# KiCad board peripheral_board_v1a.kicad_pcb (continued)
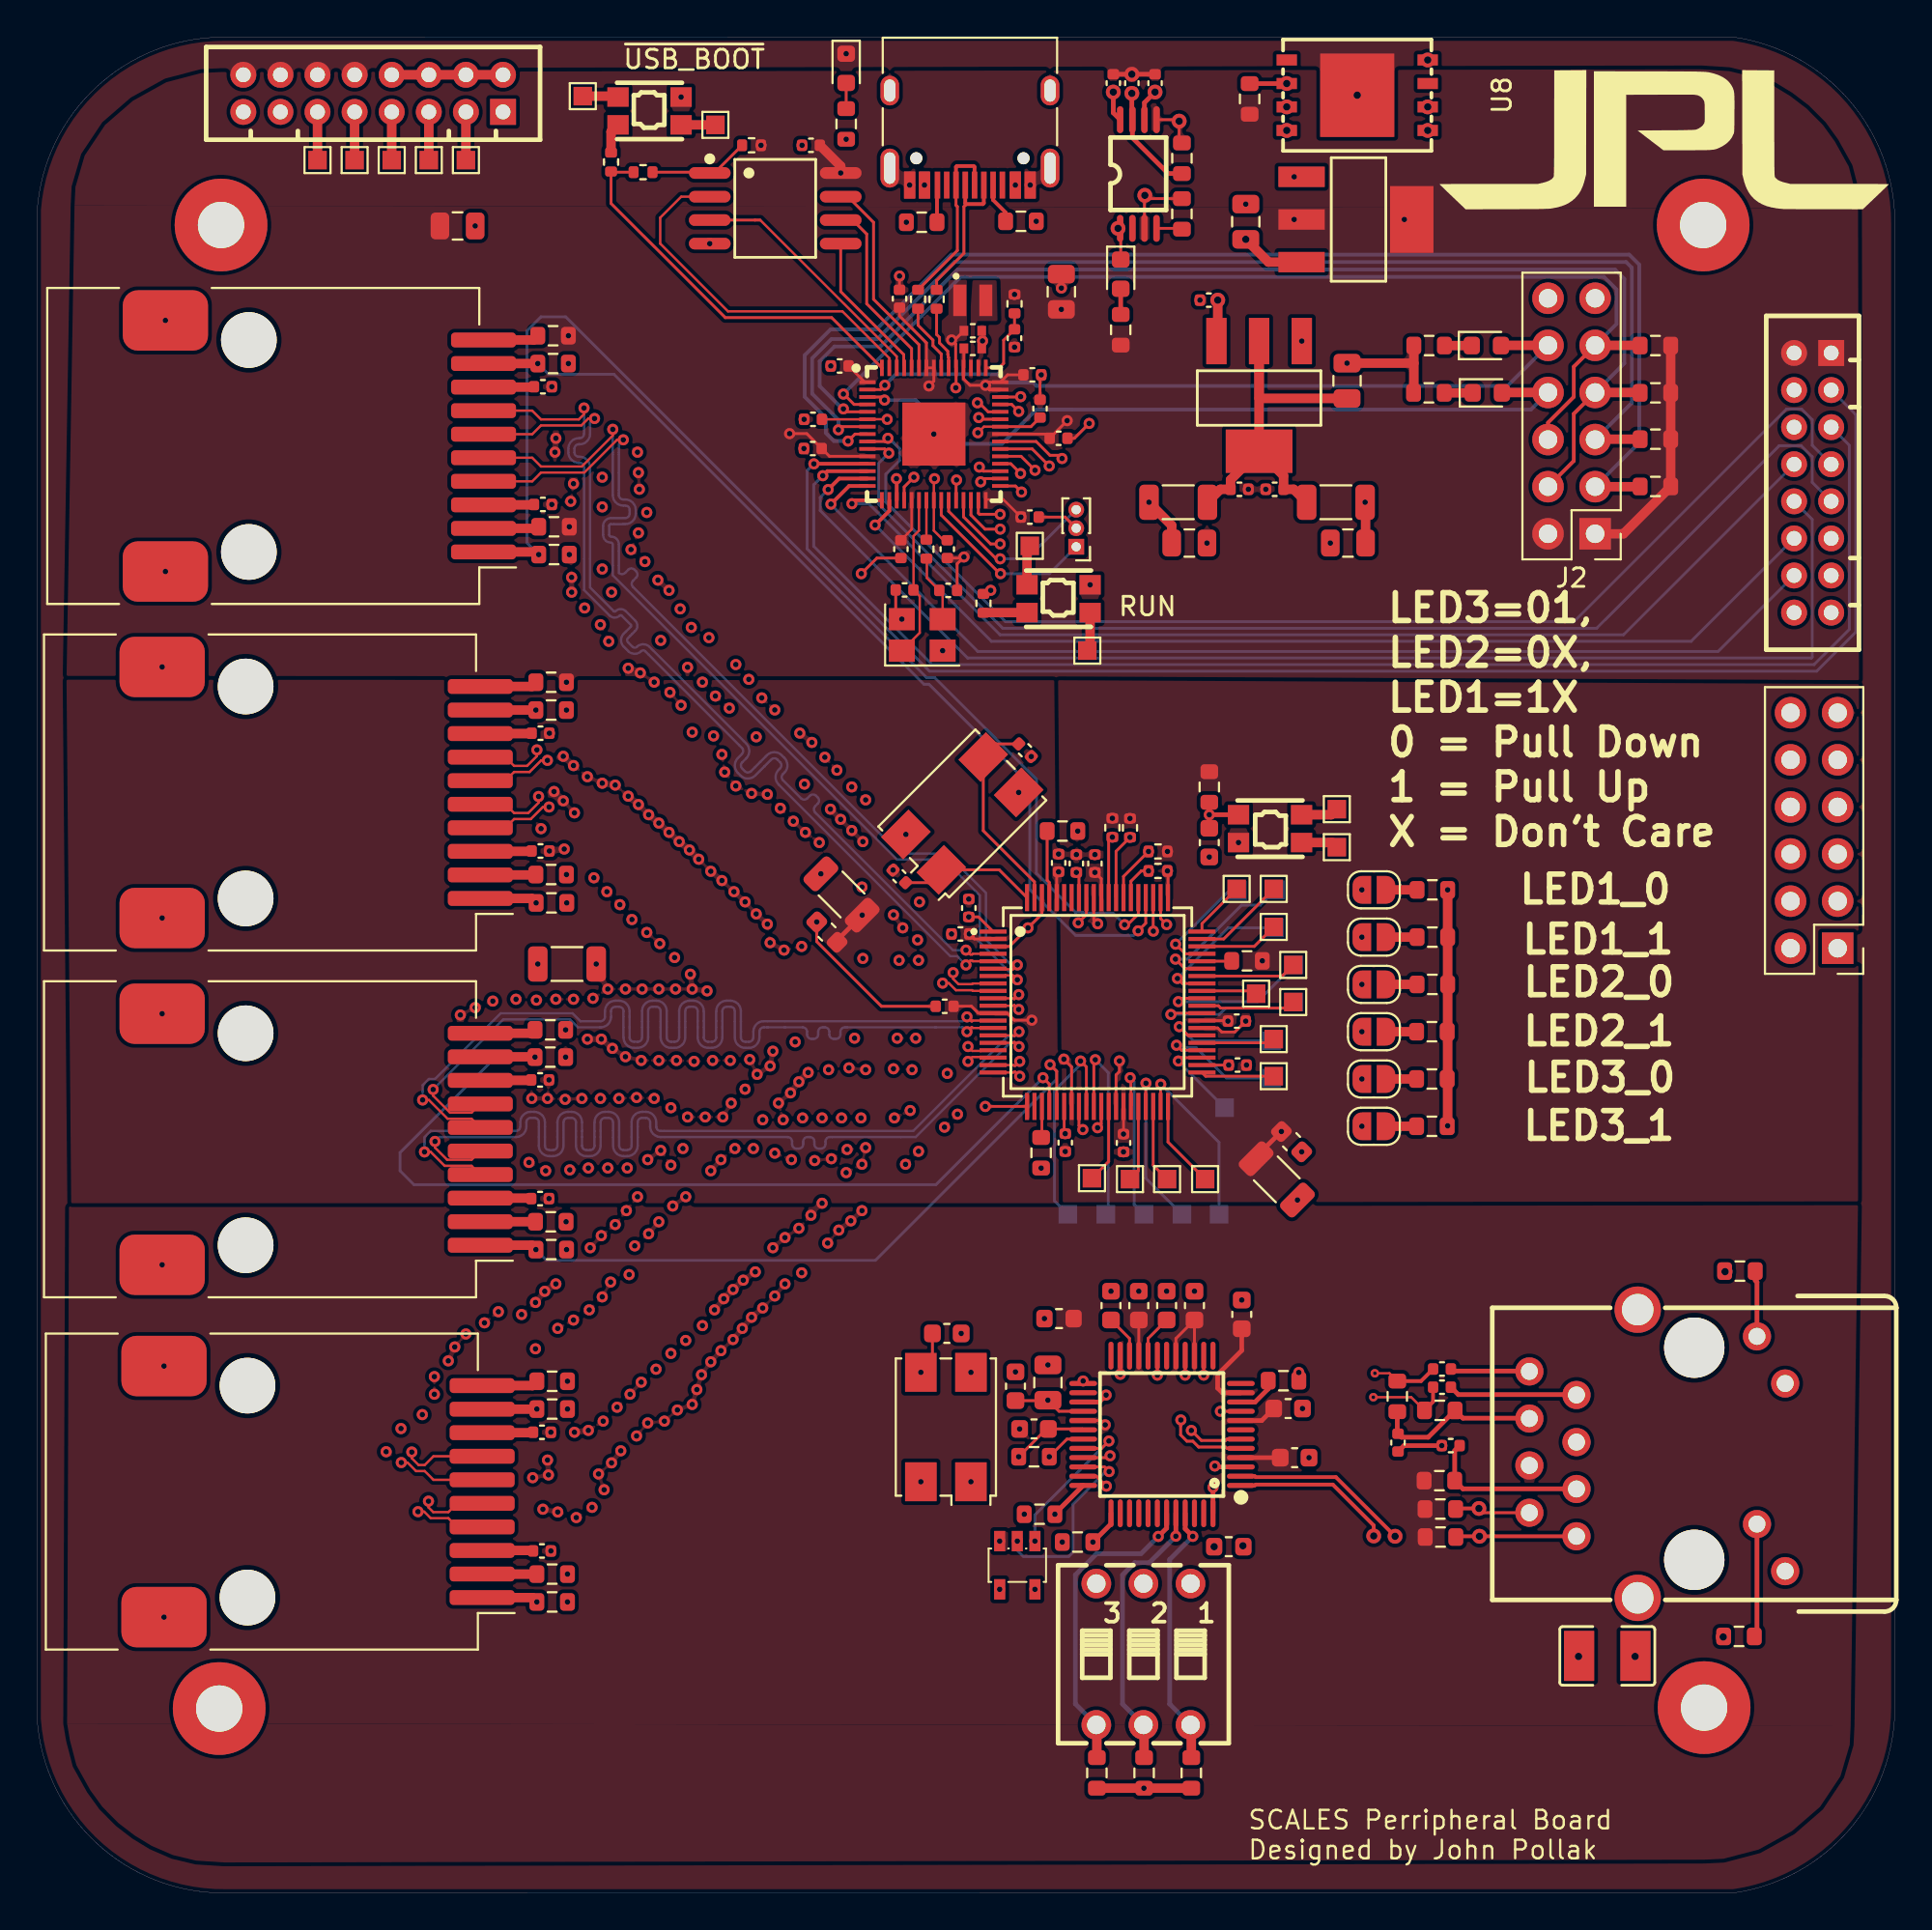
[diagram p0: board, top side]
## Routing (per net, layer and track width the routed paths; a pad name or vN(x,y) marks a point on that pad's centre or on a via; arc(x,y) is an arc through that point) (continued)
  B.Cu_SIG w0.127: v1(52.84,49.24) 50.71,51.37 50.82,51.48 50.82,53.79 48.89,55.72 46.36,55.72 31.03,71.05 31.03,72.72 arc(31.01,72.78) 30.94,72.81 arc(30.64,72.94) 30.51,73.24 30.51,73.72 arc(30.64,74.02) 30.94,74.14 31.71,74.14 arc(31.88,74.21) 31.94,74.38 31.94,74.58 arc(31.88,74.74) 31.71,74.81 31.6,74.81 arc(31.2,74.98) 31.03,75.38 v1(31.03,78.92)
TX2+: length 53.3
  F.Cu_SIG w0.127: v1(27.6,58.56) 27.26,58.56 26.61,57.91 25.71,57.91 25.24,57.44 J6.4 ; U6.10 52.63,48.24 52.67,48.2 52.68,48.2 v1(52.92,48.44)
  In3.Cu_SIG w0.127: v1(52.92,48.44) 52.68,48.2 50.42,48.2 arc(50.38,48.22) 50.36,48.27 arc(50.24,48.54) 49.97,48.66 49.42,48.66 arc(49.14,48.54) 49.03,48.27 49.03,47.31 arc(48.96,47.15) 48.79,47.08 48.59,47.08 arc(48.42,47.15) 48.35,47.31 48.35,48.4 arc(48.2,48.77) 47.83,48.92 47.55,48.92 arc(47.18,48.77) 47.03,48.4 47.03,47.31 arc(46.96,47.15) 46.79,47.08 46.59,47.08 arc(46.42,47.15) 46.35,47.31 46.35,48.4 arc(46.2,48.77) 45.83,48.92 45.55,48.92 arc(45.18,48.77) 45.03,48.4 45.03,47.31 arc(44.96,47.15) 44.79,47.08 44.59,47.08 arc(44.42,47.15) 44.35,47.31 44.35,48.4 arc(44.2,48.77) 43.83,48.92 43.55,48.92 arc(43.18,48.77) 43.03,48.4 43.03,47.31 arc(42.96,47.15) 42.79,47.08 42.59,47.08 arc(42.42,47.15) 42.35,47.31 42.35,48.4 arc(42.2,48.77) 41.83,48.92 41.55,48.92 arc(41.18,48.77) 41.03,48.4 41.03,47.31 arc(40.96,47.15) 40.79,47.08 40.59,47.08 arc(40.42,47.15) 40.35,47.31 40.35,48.4 arc(40.2,48.76) 39.83,48.92 39.54,48.92 arc(39.18,48.76) 39.03,48.4 arc(38.97,48.26) 38.83,48.2 37.95,48.2 arc(37.88,48.37) 37.95,48.54 38.08,48.66 arc(38.24,49.06) 38.08,49.46 37.94,49.6 arc(37.54,49.77) 37.14,49.6 37.01,49.48 arc(36.85,49.41) 36.68,49.48 32.32,53.84 arc(32.29,53.91) 32.32,53.98 arc(32.35,54.05) 32.32,54.12 32.04,54.4 arc(31.97,54.43) 31.9,54.4 arc(31.83,54.37) 31.76,54.4 31.01,55.14 arc(30.98,55.23) 31.01,55.31 arc(31.05,55.4) 31.01,55.49 30.76,55.74 arc(30.67,55.77) 30.59,55.74 arc(30.5,55.7) 30.42,55.74 29.71,56.45 arc(29.64,56.61) 29.71,56.77 arc(29.77,56.94) 29.71,57.1 29.6,57.2 arc(29.44,57.27) 29.28,57.2 arc(29.12,57.13) 28.96,57.2 v1(27.6,58.56)
TX2-: length 53.4
  F.Cu_SIG w0.127: J6.5 25.24,58.71 25.71,58.23 26.48,58.23 27.03,58.79 v1(27.03,59.12) ; U6.11 52.63,47.84 52.67,47.88 52.68,47.88 v1(52.92,47.64)
  In3.Cu_SIG w0.127: v1(52.92,47.64) 52.68,47.88 50.42,47.88 arc(50.14,47.99) 50.03,48.27 arc(50.01,48.31) 49.97,48.33 49.42,48.33 arc(49.37,48.31) 49.35,48.27 49.35,47.31 arc(49.19,46.91) 48.79,46.75 48.59,46.75 arc(48.19,46.91) 48.03,47.31 48.03,48.4 arc(47.97,48.54) 47.83,48.6 47.55,48.6 arc(47.41,48.54) 47.35,48.4 47.35,47.31 arc(47.19,46.91) 46.79,46.75 46.59,46.75 arc(46.19,46.91) 46.03,47.31 46.03,48.4 arc(45.97,48.54) 45.83,48.6 45.55,48.6 arc(45.41,48.54) 45.35,48.4 45.35,47.31 arc(45.19,46.91) 44.79,46.75 44.59,46.75 arc(44.19,46.91) 44.03,47.31 44.03,48.4 arc(43.97,48.54) 43.83,48.6 43.55,48.6 arc(43.41,48.54) 43.35,48.4 43.35,47.31 arc(43.19,46.91) 42.79,46.75 42.59,46.75 arc(42.19,46.91) 42.03,47.31 42.03,48.4 arc(41.97,48.54) 41.83,48.6 41.55,48.6 arc(41.41,48.54) 41.35,48.4 41.35,47.31 arc(41.19,46.91) 40.79,46.75 40.59,46.75 arc(40.19,46.91) 40.03,47.31 40.03,48.4 arc(39.97,48.53) 39.83,48.59 39.54,48.59 arc(39.41,48.53) 39.35,48.4 arc(39.2,48.03) 38.83,47.88 37.82,47.88 37.72,47.97 arc(37.56,48.37) 37.72,48.77 37.85,48.9 arc(37.92,49.06) 37.85,49.23 37.71,49.37 arc(37.54,49.44) 37.37,49.37 37.25,49.25 arc(36.85,49.08) 36.45,49.25 27.7,57.99 27.37,57.99 27.03,58.32 27.03,58.66 v1(27.03,59.12)
TX3+: length 51.9
  F.Cu_SIG w0.127: U6.15 52.63,46.24 52.67,46.2 52.7,46.2 v1(52.93,46.44) ; J7.4 23.42,39.21 21.97,39.21 21.22,39.96 v1(20.88,39.96)
  B.Cu_SIG w0.127: v1(52.93,46.44) 52.7,46.2 52.35,46.2 47.23,41.09 33.61,41.09 arc(33.45,41.16) 33.38,41.32 33.38,41.56 arc(33.21,41.95) 32.81,42.12 32.61,42.12 arc(32.21,41.95) 32.05,41.56 32.05,40.29 arc(31.98,40.13) 31.81,40.06 31.61,40.06 arc(31.45,40.13) 31.38,40.29 31.38,41.56 arc(31.21,41.95) 30.81,42.12 30.61,42.12 arc(30.21,41.95) 30.05,41.56 30.05,40.29 arc(29.98,40.13) 29.81,40.06 29.61,40.06 arc(29.45,40.13) 29.38,40.29 29.38,41.56 arc(29.21,41.95) 28.81,42.12 28.61,42.12 arc(28.21,41.95) 28.05,41.56 28.05,40.29 arc(27.98,40.13) 27.81,40.06 27.61,40.06 arc(27.45,40.13) 27.38,40.29 27.38,41.56 arc(27.21,41.95) 26.81,42.12 26.61,42.12 arc(26.21,41.95) 26.05,41.56 26.05,41.32 arc(25.98,41.16) 25.81,41.09 21.22,41.09 20.88,40.76 20.88,40.42 v1(20.88,39.96)
TX3-: length 51.9
  F.Cu_SIG w0.127: J7.5 23.42,39.53 22.1,39.53 21.45,40.19 v1(21.45,40.52) ; U6.16 52.63,45.84 52.67,45.88 52.7,45.88 v1(52.93,45.64)
  B.Cu_SIG w0.127: v1(21.45,40.52) 21.69,40.76 25.81,40.76 arc(26.21,40.93) 26.38,41.32 26.38,41.56 arc(26.45,41.72) 26.61,41.79 26.81,41.79 arc(26.98,41.72) 27.05,41.56 27.05,40.29 arc(27.21,39.89) 27.61,39.73 27.81,39.73 arc(28.21,39.89) 28.38,40.29 28.38,41.56 arc(28.45,41.72) 28.61,41.79 28.81,41.79 arc(28.98,41.72) 29.05,41.56 29.05,40.29 arc(29.21,39.89) 29.61,39.73 29.81,39.73 arc(30.21,39.89) 30.38,40.29 30.38,41.56 arc(30.45,41.72) 30.61,41.79 30.81,41.79 arc(30.98,41.72) 31.05,41.56 31.05,40.29 arc(31.21,39.89) 31.61,39.73 31.81,39.73 arc(32.21,39.89) 32.38,40.29 32.38,41.56 arc(32.45,41.72) 32.61,41.79 32.81,41.79 arc(32.98,41.72) 33.05,41.56 33.05,41.32 arc(33.21,40.93) 33.61,40.76 40.46,40.76 arc(40.63,40.69) 40.7,40.52 40.7,40.38 arc(40.77,40.21) 40.94,40.14 41.06,40.14 arc(41.23,40.21) 41.3,40.38 41.3,40.52 arc(41.37,40.69) 41.54,40.76 41.66,40.76 arc(41.83,40.69) 41.9,40.52 41.9,40.38 arc(41.97,40.21) 42.14,40.14 42.26,40.14 arc(42.43,40.21) 42.5,40.38 42.5,40.52 arc(42.57,40.69) 42.74,40.76 47.37,40.76 52.48,45.88 52.7,45.88 v1(52.93,45.64)
TX4+: length 53.3
  F.Cu_SIG w0.127: U6.19 52.63,44.64 52.67,44.6 52.73,44.6 v1(52.97,44.84) ; v1(20.53,20.56) 20.87,20.56 21.22,20.21 22.17,20.21 22.64,19.74 J8.4
  In3.Cu_SIG w0.127: v1(20.53,20.56) 20.53,21.02 20.53,21.36 20.87,21.69 24.98,21.69 arc(25.38,21.52) 25.55,21.12 25.55,20.8 arc(25.62,20.64) 25.78,20.57 25.98,20.57 arc(26.15,20.64) 26.22,20.8 26.22,21.12 arc(26.38,21.52) 26.78,21.69 27.83,21.69 arc(28.23,21.85) 28.63,21.69 28.85,21.46 arc(29.02,21.39) 29.19,21.46 29.33,21.6 arc(29.4,21.77) 29.33,21.94 28.31,22.96 arc(28.14,23.36) 28.31,23.75 28.45,23.9 arc(28.85,24.06) 29.25,23.9 29.48,23.67 arc(29.64,23.6) 29.81,23.67 31.22,25.08 50.75,44.6 52.73,44.6 v1(52.97,44.84)
TX4-: length 53.4
  F.Cu_SIG w0.127: v1(21.1,21.12) 21.1,20.79 21.35,20.53 22.17,20.53 22.64,21.01 J8.5 ; U6.20 52.63,44.24 52.67,44.28 52.73,44.28 v1(52.97,44.04)
  In3.Cu_SIG w0.127: v1(21.1,21.12) 21.34,21.36 24.98,21.36 arc(25.15,21.29) 25.22,21.12 25.22,20.8 arc(25.38,20.4) 25.78,20.24 25.98,20.24 arc(26.38,20.4) 26.55,20.8 26.55,21.12 arc(26.62,21.29) 26.78,21.36 27.97,21.36 28.06,21.46 arc(28.23,21.53) 28.4,21.46 28.62,21.23 arc(29.02,21.06) 29.42,21.23 29.56,21.37 arc(29.73,21.77) 29.56,22.17 28.54,23.19 arc(28.47,23.36) 28.54,23.52 28.68,23.66 arc(28.85,23.73) 29.02,23.66 29.24,23.44 arc(29.64,23.27) 30.04,23.44 33.21,26.61 arc(33.38,26.68) 33.55,26.61 33.67,26.49 arc(33.84,26.42) 34.01,26.49 34.1,26.57 arc(34.17,26.74) 34.1,26.91 33.98,27.03 arc(33.91,27.2) 33.98,27.37 34.06,27.46 arc(34.23,27.53) 34.4,27.46 34.52,27.33 arc(34.69,27.26) 34.86,27.33 34.95,27.42 arc(35.02,27.59) 34.95,27.76 34.82,27.88 arc(34.75,28.05) 34.82,28.22 38.09,31.49 50.88,44.28 52.74,44.28 v1(52.97,44.04)
TX +: length 20.7
  F.Cu_SIG w0.2: RJ1.1 v2(77.76,19.23) 76.52,19.23 R32.1 ; v2(73.21,19.23) 70.02,22.42 65.69,22.42 65.64,22.47 U4.2
  In3.Cu_SIG w0.152: v2(73.21,19.23) v2(77.76,19.23)
TX -: length 19
  F.Cu_SIG w0.155: v2(77.73,20.73) 77.96,20.5 RJ1.2
  F.Cu_SIG w0.2: v2(77.73,20.73) 76.5,20.73 R31.1 ; U4.1 65.64,21.97 65.69,22.02 69.85,22.02 72.06,19.82 v2(72.06,19.25)
  In3.Cu_SIG w0.2: v2(77.73,20.73) 73.54,20.73 v2(72.06,19.25)
UART1_CTS: length 65.7
  F.Cu_SIG w0.152: v1(45.87,78.44) 45.69,78.27 U1.9
  B.Cu_SIG w0.152: v1(45.87,78.44) 45.93,78.44 46.49,77.88 46.49,77.25 45.75,76.5 45.75,75.01 52.2,68.55 82.84,68.55 94.31,80.02 95.12,80.02 95.69,79.45 95.69,78.06 CN2.7
UART1_RTS: length 64.5
  F.Cu_SIG w0.152: v1(45.92,77.64) 45.69,77.87 U1.10
  B.Cu_SIG w0.152: v1(45.92,77.64) 45.37,77.09 45.37,74.89 52.06,68.2 84.07,68.2 93.92,78.04 95.1,78.04 95.69,77.45 95.69,76.06 CN2.9
UART1_RX: length 77.1
  F.Cu_SIG w0.2: U1.13 42.6,76.67 v1(42.36,76.42)
  B.Cu_SIG w0.152: v1(42.36,76.42) 41.86,75.93 41.86,72.62 48.25,66.24 95.79,66.24 97.69,68.14 97.69,78.06 CN2.5
UART1_TX: length 81.4
  F.Cu_SIG w0.2: U1.12 41.88,77.07 v1(41.88,77.06)
  B.Cu_SIG w0.152: v1(41.88,77.06) 41.51,76.7 41.51,72.48 48.1,65.88 95.94,65.88 98.05,67.99 98.05,79.71 CN2.3
VEPS: length 44.5
  F.Cu_SIG w0.25: v2(60.27,97.11) 59.7,96.54 U9.6
  F.Cu_SIG w0.508: CN1.8 CN1.2
  In2.Cu_PWR w0.508: v2(60.27,97.11) 60.27,98.03 59.37,98.93 44.43,98.93 43.55,98.04 CN1.2
VOUT: length 28.1
  F.Cu_SIG w0.25: C67.2 v2(59.02,97.04) 59.02,95.65 U9.7 59.05,94.65 60.98,92.72 61.72,92.72
  F.Cu_SIG w0.508: U7.3 63.65,83.75 v2(63.65,85.89) ; v2(65.16,89.17) 66.39,87.94 U2.3
  In2.Cu_PWR w0.508: 62.78,91.55 63.65,90.68 v2(63.65,85.89) ; 62.78,91.55 59.02,95.31 v2(59.02,97.04) ; 62.78,91.55 v2(65.16,89.17)
YELLOW_LED: length 39.7
  F.Cu_SIG w0.254: v1(57.63,26.85) 57.25,26.47 U4.27
  In3.Cu_SIG w0.152: RJ1.12 94.21,27.44 88.13,27.44 86.42,29.16 65.13,29.16 62.82,26.85 v1(57.63,26.85)
Net-(C5-Pad2): length 3.3
  F.Cu_SIG w0.127: Y1.3 48.82,70.06 ; C5.2 47.97,70.91 47.97,71.93
Net-(C32-Pad2): length 6.9
  F.Cu_SIG w0.25: C32.2 76.62,26.87 82.99,26.87
Net-(C33-Pad2): length 4.3
  F.Cu_SIG w0.25: C33.2 76.33,28.14 80.45,28.14
Net-(C49-Pad2): length 22.1
  F.Cu_SIG w0.508: C49.2 65.88,80.59 U7.2 U7.4 ; 68.44,74.99 67.74,75.69 C52.2 67.2,76.42 U7.4 ; FB4.1 63.79,75.69 C50.2 64.34,76.2 U7.4
Net-(CN1-Pad3): length 2.6
  F.Cu_SIG w0.508: TP5.1 CN1.3
Net-(CN1-Pad5): length 2.6
  F.Cu_SIG w0.508: TP6.1 CN1.5
Net-(CN1-Pad7): length 2.6
  F.Cu_SIG w0.508: TP7.1 CN1.7
Net-(CN1-Pad9): length 2.6
  F.Cu_SIG w0.508: TP8.1 CN1.9
Net-(CN1-Pad11): length 2.6
  F.Cu_SIG w0.508: TP9.1 CN1.11
Net-(D1-A): length 1.4
  F.Cu_SIG w0.152: D1.2 R8.1
Net-(D2-K): length 1.5
  F.Cu_SIG w0.508: R11.1 D2.1
Net-(D3-K): length 1.5
  F.Cu_SIG w0.508: D3.1 R13.1
Net-(D4-A): length 1.4
  F.Cu_SIG w0.25: D4.2 R66.1
Net-(J4-CC1): length 2.2
  F.Cu_SIG w0.2: J4.A5 51.54,91.29 52.21,90.62 R16.2
Net-(J4-CC2): length 2
  F.Cu_SIG w0.2: J4.B5 48.51,92.07 48.51,90.09
Net-(J5-Pad2): length 3
  F.Cu_SIG w0.508: R49.1 26.95,73.58 J5.2
Net-(J5-Pad10): length 3
  F.Cu_SIG w0.508: J5.10 26.76,83.74 R47.1
Net-(J6-Pad2): length 3
  F.Cu_SIG w0.508: 23.89,54.9 26.87,54.9 R53.1
Net-(J6-Pad10): length 3.1
  F.Cu_SIG w0.508: R51.1 26.66,65.06 J6.10
Net-(J7-Pad2): length 3
  F.Cu_SIG w0.508: R57.1 26.86,36.2 23.89,36.2
Net-(J7-Pad10): length 3
  F.Cu_SIG w0.508: J7.10 26.66,46.36 R55.1
Net-(J8-Pad2): length 3
  F.Cu_SIG w0.508: 23.99,17.2 24,17.19 R61.1
Net-(J8-Pad10): length 3
  F.Cu_SIG w0.508: R59.1 26.71,27.36 J8.10
Net-(JP1-B): length 1.7
  F.Cu_SIG w0.508: JP1.2 R40.1
Net-(JP2-B): length 1.7
  F.Cu_SIG w0.508: JP2.2 R41.1
Net-(JP3-B): length 1.7
  F.Cu_SIG w0.508: JP3.2 R42.1
Net-(JP4-B): length 1.7
  F.Cu_SIG w0.508: JP4.2 R43.1
Net-(JP5-B): length 1.7
  F.Cu_SIG w0.508: JP5.2 R44.1
Net-(JP6-B): length 1.7
  F.Cu_SIG w0.508: JP6.2 R45.1
Net-(R3-Pad2): length 2.4
  F.Cu_SIG w0.508: SW2.1' 51.03,69.04 R3.2
Net-(RJ1-LLED+): length 6.1
  F.Cu_SIG w0.25: 92.57,13.83 92.72,13.98 RJ1.9
Net-(RJ1-RLED+): length 3.7
  F.Cu_SIG w0.25: RJ1.11 92.72,32.94 92.62,33.04 R27.1 92.62,33.63
Net-(SW1-Pad1): length 1.9
  F.Cu_SIG w0.508: SW1.1 TP2.1
Net-(SW1-Pad2'): length 1.9
  F.Cu_SIG w0.508: SW1.2' 31.27,96.89 TP3.1
Net-(SW2-Pad1): length 2.1
  F.Cu_SIG w0.508: SW2.1 56.77,67.14 TP1.1
Net-(SW2-Pad2'): length 2.2
  F.Cu_SIG w0.508: TP4.1 53.37,72.49 SW2.2'
Net-(SW4-Pad1'): length 2
  F.Cu_SIG w0.508: SW4.1' 69.77,58.14 TP35.1
Net-(SW4-Pad2'): length 2
  F.Cu_SIG w0.508: TP36.1 69.82,56.64 SW4.2'
Net-(U1-RUN): length 9.6
  F.Cu_SIG w0.152: v1(49.57,76.19) 49.54,76.17 U1.26 ; R3.1 51.22,70.05 v1(51.41,70.24)
  In3.Cu_SIG w0.152: v1(51.41,70.24) 49.92,70.24 49.02,71.14 49.02,75.64 v1(49.57,76.19)
Net-(U1-USB_DM): length 3.5
  F.Cu_SIG w0.152: U1.51 49.14,82.79 49.12,82.81 49.12,82.95 49.1,82.95 49.1,83.13 48.65,83.58 48.65,83.88 48.49,84.04 R6.2
Net-(U1-USB_DP): length 3.7
  F.Cu_SIG w0.152: R5.2 47.49,84.54 48.3,83.73 48.3,83.43 48.74,82.99 U1.52
Net-(U1-VREG_AVDD): length 4
  F.Cu_SIG w0.152: U1.46 51.86,82.24 52.1,82.48 52.1,83.73 C7.1 R2.1
Net-(U1-XIN): length 8.8
  F.Cu_SIG w0.127: U1.21 47.54,73.46 47.25,73.17 C4.2 47.58,69.93 47.58,67.95 Y1.1
Net-(U1-XOUT): length 2.1
  F.Cu_SIG w0.127: U1.22 R4.2
Net-(U4-1V2O): length 2.3
  F.Cu_SIG w0.152: U4.22 58.89,29.9 C21.1
Net-(U4-EXRES1): length 2.2
  F.Cu_SIG w0.25: R18.2 66.37,27.18 65.66,26.47 U4.10
Net-(U4-TOCAP): length 2.3
  F.Cu_SIG w0.152: U4.20 59.89,29.9 C20.1
Net-(U4-XI/CLKIN): length 7.3
  F.Cu_SIG w0.152: U4.30 56.34,25.02 C26.2 54.42,25.02 v1(52.92,23.52)
  In3.Cu_SIG w0.152: v1(50.34,22.17) 51.69,23.52 v1(52.92,23.52)
Net-(U4-XO): length 13.4
  F.Cu_SIG w0.152: v1(54.57,23.52) 55.52,24.47 56.39,24.47 ; C29.2 48.27,28.7 v1(47.64,28.07)
  In3.Cu_SIG w0.152: v1(54.57,23.52) 53.99,24.1 51.61,24.1 v1(47.64,28.07)
Net-(U6-COL5): length 5.2
  F.Cu_SIG w0.152: TP24.1 67.12,49.44 U6.54
Net-(U6-CRS5): length 7.8
  F.Cu_SIG w0.152: U6.53 61.75,49.04 v1(61.48,49.31)
  B.Cu_SIG w0.152: v1(61.48,49.31) 64.21,52.04 TP25.1
Net-(U6-ISET): length 3.6
  F.Cu_SIG w0.152: R35.1 54.45,54.61 54.57,54.49 U6.77
Net-(U6-REFCLKO): length 8.6
  F.Cu_SIG w0.152: v1(61.37,50.35) 61.88,49.84 U6.55
  B.Cu_SIG w0.152: v1(61.37,50.35) 62.02,50.35 64.93,53.26 65.94,53.26 TP23.1
Net-(U6-RXC5/GRXC5): length 7.4
  F.Cu_SIG w0.152: U6.44 61.7,45.44 v1(61.43,45.71)
  B.Cu_SIG w0.152: v1(61.43,45.71) 61.55,45.59 62.47,45.59 64.12,43.94 TP32.1
Net-(U6-RXD5_0): length 4
  F.Cu_SIG w0.152: U6.45 66.47,45.84 TP31.1
Net-(U6-RXD5_1): length 6.7
  F.Cu_SIG w0.152: U6.46 62.05,46.24 v1(61.58,46.71)
  B.Cu_SIG w0.152: v1(61.58,46.71) 62.35,45.94 TP30.1
Net-(U6-RXD5_2): length 8.6
  F.Cu_SIG w0.152: v1(61.12,47.37) 61.19,47.44 U6.49
  B.Cu_SIG w0.152: TP29.1 67.43,47.71 64.08,47.71 63.74,47.37 v1(61.12,47.37)
Net-(U6-RXD5_3): length 5.1
  F.Cu_SIG w0.152: U6.50 63.68,47.84 63.81,47.71 67.39,47.71 TP28.1
Net-(U6-RXD5_4): length 6.2
  F.Cu_SIG w0.152: U6.57 61.9,50.64 v1(61.38,51.16)
  B.Cu_SIG w0.152: v1(61.38,51.16) 64.26,54.04 TP22.1
Net-(U6-RXD5_5): length 4.3
  F.Cu_SIG w0.152: U6.58 65.62,51.04 TP21.1
Net-(U6-RXD5_6): length 5
  F.Cu_SIG w0.152: U6.59 63.97,51.44 TP20.1
Net-(U6-RXD5_7): length 3.1
  F.Cu_SIG w0.152: TP19.1 62.8,52.27 U6.60
Net-(U6-RXDV5/CRSDV5/RXD5_CTL): length 8.4
  F.Cu_SIG w0.152: U6.51 61.71,48.24 v1(61.53,48.06)
  B.Cu_SIG w0.152: v1(61.53,48.06) 65.79,48.06 TP27.1
Net-(U6-RXER5): length 3
  F.Cu_SIG w0.152: U6.52 65.57,48.64 TP26.1
Net-(U6-TXC5/REFCLKI5/GTXC5): length 4.9
  F.Cu_SIG w0.152: v1(61.53,44.86) 61.71,45.04 U6.43
  B.Cu_SIG w0.152: TP33.1 61.53,44.83 v1(61.53,44.86)
Net-(U6-TXD5_0): length 11.2
  F.Cu_SIG w0.152: v1(57.05,44.93) 56.97,44.85 U6.30
  B.Cu_SIG w0.152: v1(57.05,44.93) 57.75,44.23 57.75,36.72 TP11.1
Net-(U6-TXD5_1): length 4.2
  F.Cu_SIG w0.152: TP12.1 57.77,39.44 U6.32
Net-(U6-TXD5_2): length 9.2
  F.Cu_SIG w0.152: U6.35 58.97,43.92 v1(58.93,43.96)
  B.Cu_SIG w0.152: TP13.1 59.14,37.11 59.14,43.74 v1(58.93,43.96)
Net-(U6-TXD5_3): length 4.1
  F.Cu_SIG w0.152: TP14.1 59.37,38.94 U6.36
Net-(U6-TXD5_4): length 4.2
  F.Cu_SIG w0.152: U6.38 60.17,39.24 TP16.1
Net-(U6-TXD5_5): length 9.5
  F.Cu_SIG w0.152: U6.39 60.57,43.6 v1(60.58,43.61)
  B.Cu_SIG w0.152: v1(60.58,43.61) 63.72,40.47 TP17.1
Net-(U6-TXD5_6): length 4.7
  F.Cu_SIG w0.152: U6.40 60.97,40.49 TP18.1
Net-(U6-TXD5_7): length 4
  F.Cu_SIG w0.152: TP34.1 63,44.04 U6.41
Net-(U6-TXEN5/TXDS5_CTL): length 11.7
  F.Cu_SIG w0.152: v1(56.25,44.86) 56.57,44.54 U6.29
  B.Cu_SIG w0.152: TP10.1 54.85,37.31 54.85,43.27 56.25,44.67 v1(56.25,44.86)
Net-(U6-TXER5): length 9.1
  F.Cu_SIG w0.152: U6.37 59.77,43.65 v1(59.78,43.66)
  B.Cu_SIG w0.152: v1(59.78,43.66) 59.78,38.53 TP15.1
Net-(U6-XI): length 10.9
  F.Cu_SIG w0.152: C46.1 51.71,61.96 Y3.3 51.01,57.28 53.77,54.52 U6.79
Net-(U6-XO): length 7.5
  F.Cu_SIG w0.152: C45.1 48.05,54.48 Y3.1 51.87,55.17 U6.80
Net-(U9-ILIM): length 1.4
  F.Cu_SIG w0.152: R65.2 61.67,89.76 U9.4

## Copper pours and planes (outline as drawn; the poured copper is in the pictures)
3V3A on F.Cu_SIG: 98.17,37.29 1.72,37.19 1.62,9.14 97.77,8.99
3V3A on F.Cu_SIG: 1.62,9.14 97.77,8.99 97.72,7.99 97.22,6.29 96.12,4.64 94.62,3.34 92.82,2.34 90.92,1.84 89.87,1.79 10.07,1.64 8.57,1.74 7.32,2.04 6.17,2.54 5.27,3.09 4.4,3.76 3.52,4.64 2.87,5.54 2.12,6.89 1.77,8.24
+1V1 on F.Cu_SIG: 49.13,85.11 48.68,84.71 48.73,83.01 50.13,83.76 50.13,86.99 49.13,86.96
+3V3 on F.Cu_SIG: 98.17,90.84 2.02,90.99 2.07,91.99 2.57,93.69 3.67,95.34 5.17,96.64 6.97,97.64 8.87,98.14 9.92,98.19 89.71,98.34 91.22,98.24 92.47,97.94 93.62,97.44 94.52,96.89 95.39,96.23 96.27,95.34 96.92,94.44 97.67,93.09 98.02,91.74
+3V3 on F.Cu_SIG: 98.22,65.19 1.59,65.42 2.02,90.99 98.17,90.84
+3V3 on In2.Cu_PWR: 1.62,9.14 97.77,8.99 97.72,7.99 97.22,6.29 96.12,4.64 94.62,3.34 92.82,2.34 90.92,1.84 89.87,1.79 10.07,1.64 8.57,1.74 7.32,2.04 6.17,2.54 5.27,3.09 4.4,3.76 3.52,4.64 2.87,5.54 2.12,6.89 1.77,8.24
+3V3 on In2.Cu_PWR: 98.17,90.84 2.02,90.99 2.07,91.99 2.57,93.69 3.67,95.34 5.17,96.64 6.97,97.64 8.87,98.14 9.92,98.19 89.71,98.34 91.22,98.24 92.47,97.94 93.62,97.44 94.52,96.89 95.39,96.23 96.27,95.34 96.92,94.44 97.67,93.09 98.02,91.74
+3V3 on In2.Cu_PWR: 1.62,9.14 2.02,90.99 98.17,90.84 97.77,8.99
GND on F.Cu_SIG: 50.52,81.69 51.37,81.69 51.37,82.89 51.87,82.89 51.92,84.69 50.52,84.69
GND on F.Cu_SIG: 44.22,75.74 52.37,75.74 52.62,65.99 44.32,66.04
GND on F.Cu_SIG, B.Cu_SIG, In2.Cu_PWR, In3.Cu_SIG, In4.Cu_GND: -1.78,102.34 101.62,102.34 101.62,-2.91 -1.28,-2.91
GND on In1.Cu_GND: 101.62,37.29 28.77,37.29 28.52,102.34 101.62,102.34
GNDA on In1.Cu_GND: 84.97,37.29 28.77,37.29 29.32,-2.91 84.97,-2.96
VDDAT on F.Cu_SIG: 1.59,65.42 1.84,37.19 55.55,37.19 55.04,65.39
VDDIO on F.Cu_SIG: 55.04,65.39 55.29,37.24 98.17,37.29 98.22,65.19
CGND on In1.Cu_GND: 101.62,-2.91 84.97,-2.96 84.97,37.29 101.62,37.29
Chassis_GND on In1.Cu_GND: -1.78,102.34 28.52,102.34 29.32,-2.91 -1.28,-2.91
Net-(U1-VREG_LX) on F.Cu_SIG: 51.73,86.96 50.43,86.96 50.08,81.66 50.58,81.66 50.68,84.76 51.78,84.76

## Text on the board
B.Silkscreen: Port 2 | Port 3 | Port 4 | Port 1
F.Silkscreen: SCALES Perripheral Board / Designed by John Pollak | ~{USB_BOOT} | RUN | LED3=01, / LED2=0X, / LED1=1X / 0 = Pull Down / 1 = Pull Up / X = Don't Care | LED1_0 | LED1_1 | LED2_0 | LED2_1 | LED3_1 | LED3_0
